# Altium PCB MainBoard_Layout_V2.PcbDoc (part 4 of 4)
Units mil, origin at the board's own origin, x right, y up, seen from the top; angles counter-clockwise.
Board outline 6119.77 x 4182.8 mil, 4 copper layers (Top Layer 1, Top Layer, Bottom Layer, Bottom Layer 1), stack 19.156 mil thick; 239 components, 227 nets, 1028 pads, 670 vias.
Unrouted connection lines stored in the file: 2.
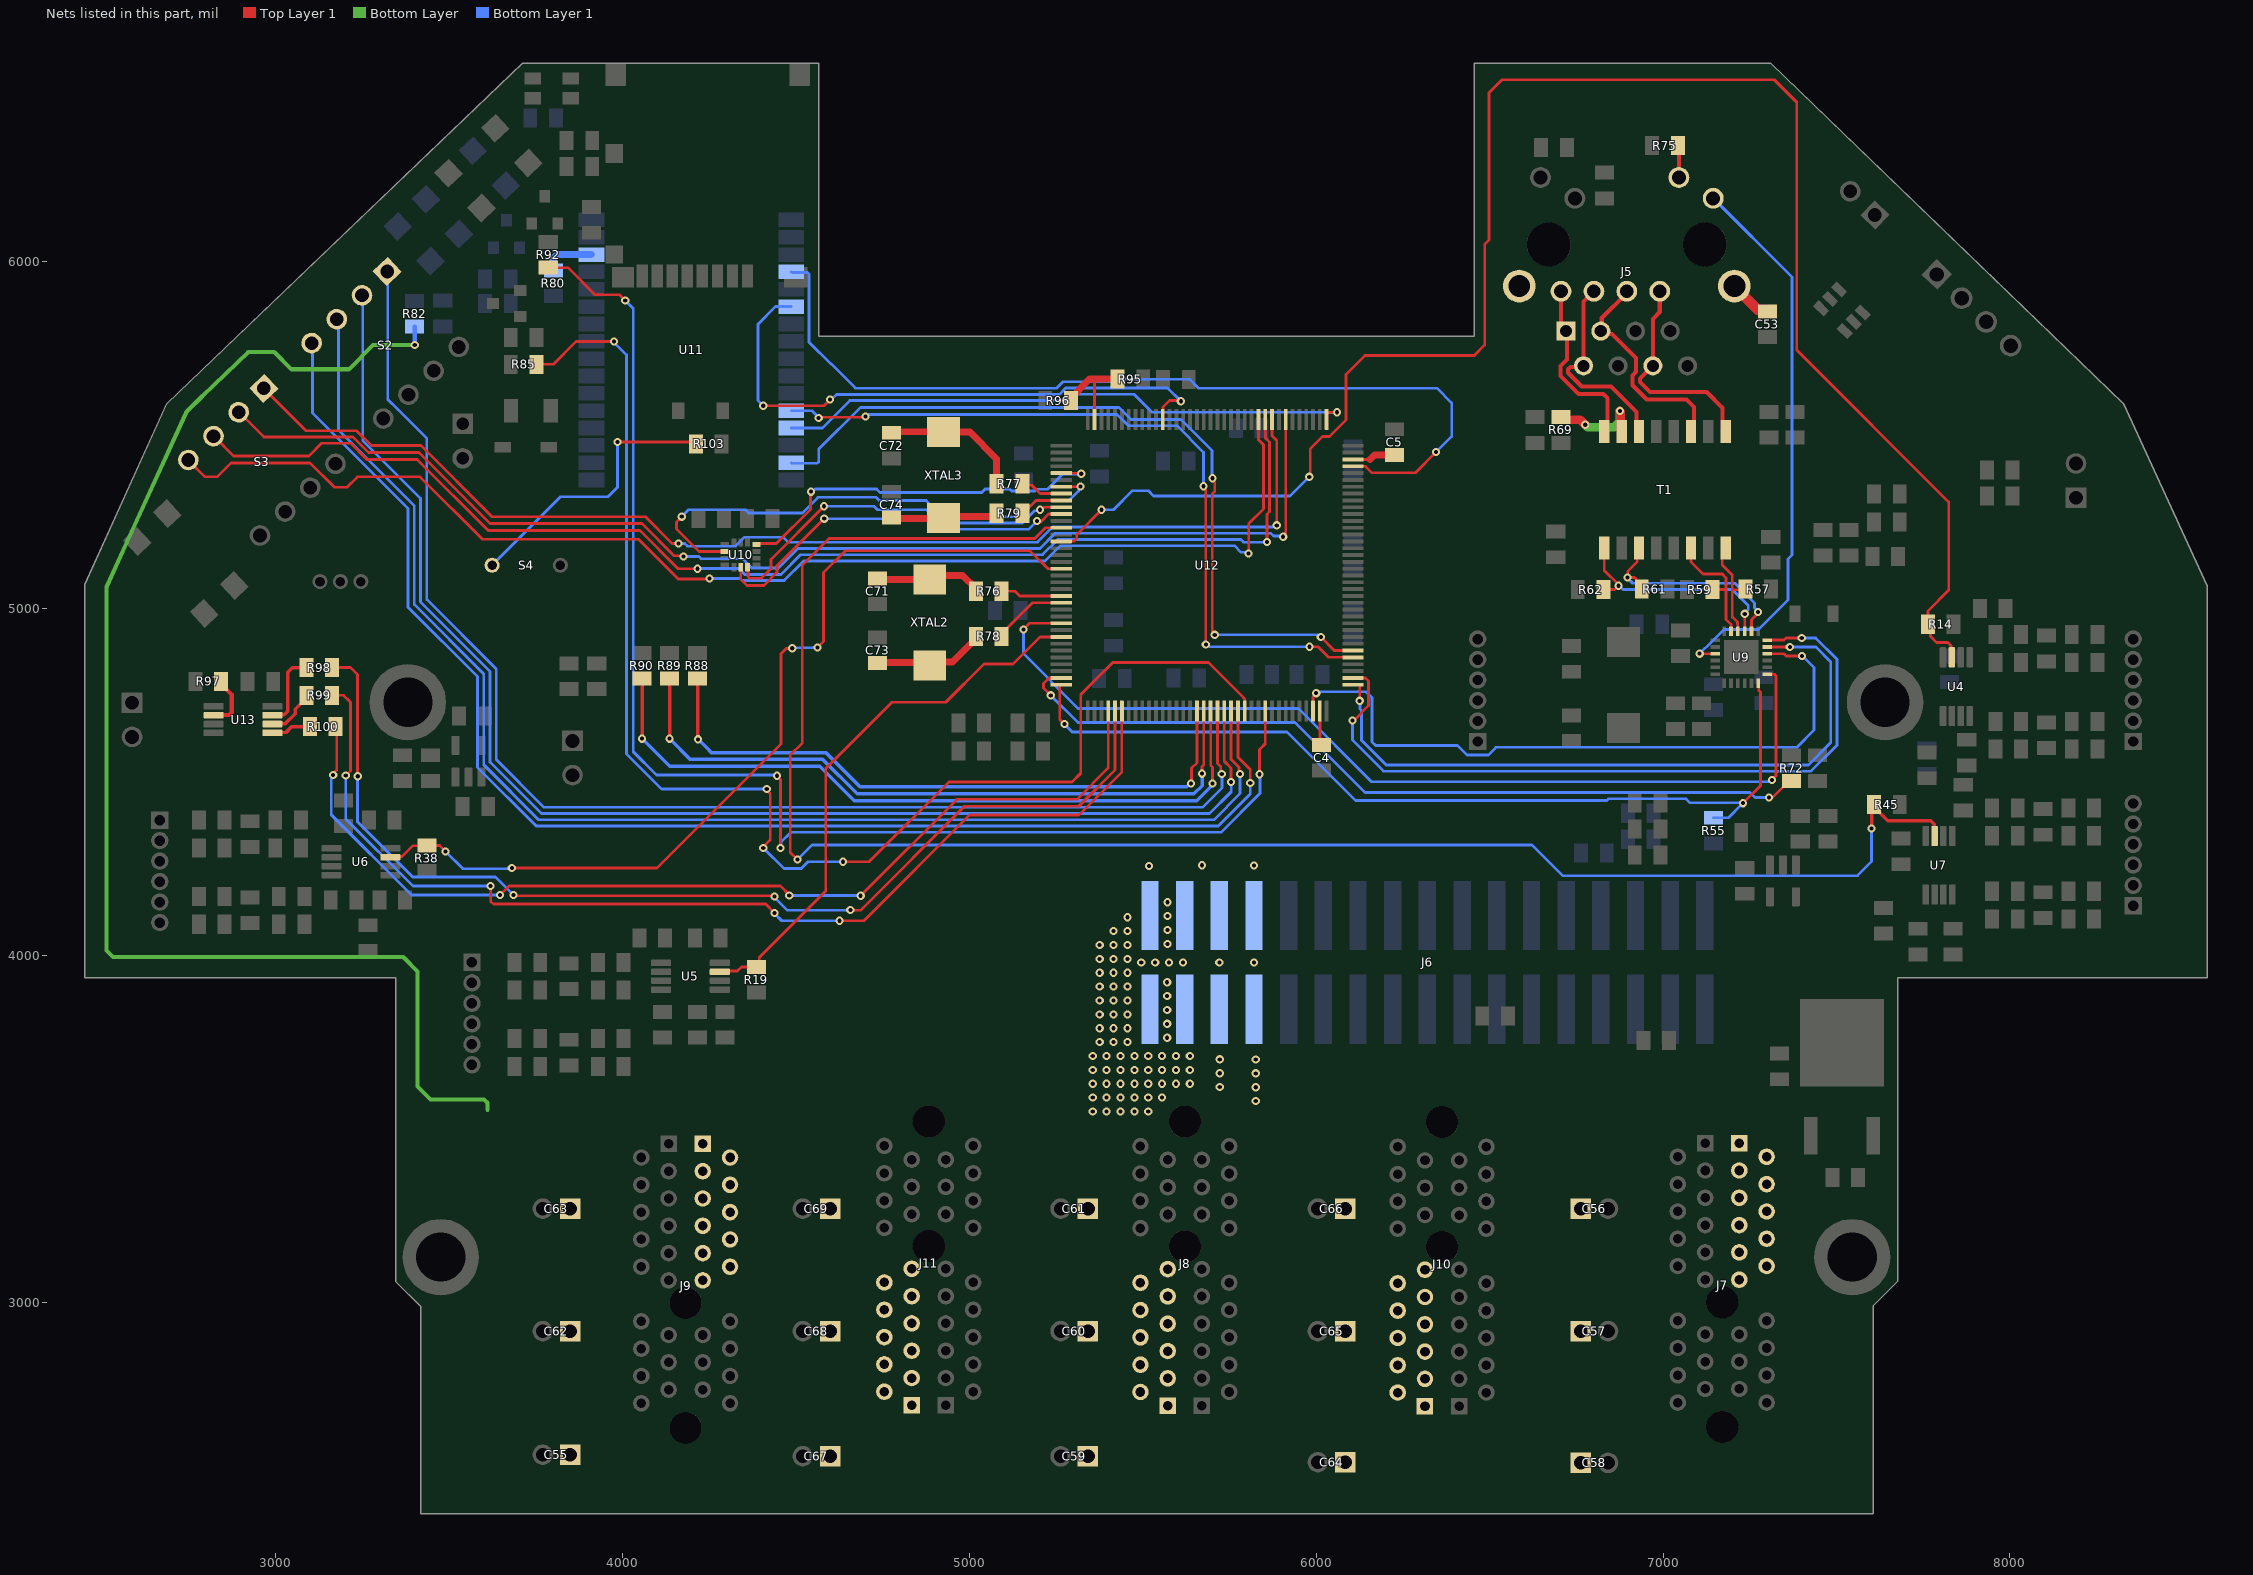
[diagram p6: the nets of this part, all layers, seen from the top]

## Via types
v1: diameter 23.62, hole 11.81, Top Layer 1 to Bottom Layer 1, tented both sides, 452 vias
v2: diameter 23.62, hole 11.81, Top Layer 1 to Bottom Layer 1, 166 vias
v3: diameter 23.62, hole 11.81, Top Layer 1 to Bottom Layer 1, tented bottom, 48 vias
v4: diameter 23.62/23.62/23.62/23.62 (per signal layer), hole 11.81, Top Layer 1 to Bottom Layer 1, 2 vias
v5: diameter 30, hole 15, Top Layer 1 to Bottom Layer 1, tented both sides, 1 vias
v6: diameter 23.62, hole 11.81, Top Layer 1 to Bottom Layer 1, tented top, 1 vias

## Nets (pads, with @x,y where several pads share a name; then routed paths per layer and width w, separated by ;. In a path a pad name is that pad's centre, name@x,y a point inside that pad or via, vN(x,y) a via of type N, cw(c..) or ccw(c..) an arc to the next point about the centre after c; other vN are vias at no path point) (continued)
NetR69_1: R69.1 T1.15 | length 280.4
  Top Layer 1 w25: R69.1@6705.46,5551.88 6712.96,5544.38 6760.96,5544.38 v2(6775.46,5529.88) ; v2(6875.46,5569.88) 6878,5567.34 6878,5513.16 T1.15@6880.46,5510.7
  Bottom Layer w25: v2(6775.46,5529.88) 6782.6,5522.73 6858.32,5522.73 6875.46,5539.88 v2(6875.46,5569.88)
NetR80_2: R80.2 U11.30 | length 135.2
  Bottom Layer 1 w20: R80.2@3799.8,5988.57 3799.8,6008.89 3811.52,6020.6 U11.30@3909.81,6020.6
NetR85_2: R85.2 U12.60 | length 3955
  Top Layer 1 w8: R85.2@3751.39,5704.25 3799.83,5704.25 3865.46,5769.88 v1(3975.46,5769.88) ; v3(4405.46,4309.88) 4405.46,4312.56 4425.46,4332.56 4425.46,4467.19 4415.46,4477.19 v3(4415.46,4479.88) ; v3(4635.27,4269.88) 4710.46,4269.88 4940.46,4499.88 5295.46,4499.88 5320.84,4525.26 5320.84,4752.67 5413.05,4844.88 5688.78,4844.88 5784.55,4749.11 5793.55,4740.1 5793.55,4704.58 U12.60@5793.73,4704.4
  Bottom Layer 1 w8: v1(3975.46,5769.88) 3975.46,5767.38 4011.27,5731.57 4011.27,4581.03 4112.43,4479.88 v3(4415.46,4479.88) ; v3(4405.46,4309.88) 4465.16,4250.18 4515.07,4250.18 4534.77,4269.88 v3(4635.27,4269.88)
NetR88_1: R88.1 U12.53 | length 1873.6
  Top Layer 1 w8: v1(5638.87,4495.88) 5640.46,4497.47 5640.46,4539.88 5655.76,4555.18 5655.76,4704.23 U12.53@5655.93,4704.4
  Top Layer 1 w10: R88.1@4215.46,4797.88 4216.95,4796.39 4216.95,4623.68 v3(4217.58,4623.05)
  Bottom Layer 1 w10: v3(4217.58,4623.05) 4239.18,4601.45 4255.75,4584.88 4585.46,4584.88 4684.48,4485.86 5626.01,4485.86 5636.03,4495.88 v1(5638.87,4495.88)
NetR89_1: R89.1 U12.54 | length 2000.9
  Top Layer 1 w8: v1(5670.8,4523.88) 5670.8,4544.76 5675.44,4549.4 5675.44,4704.23 U12.54@5675.62,4704.4
  Top Layer 1 w10: v3(4135.46,4624.88) R89.1@4135.46,4797.88
  Bottom Layer 1 w10: v3(4135.46,4624.88) 4195.46,4564.88 4577.18,4564.88 4676.26,4465.8 5646.97,4465.8 5670.8,4489.63 v1(5670.8,4523.88)
NetR90_1: R90.1 U12.55 | length 2126.8
  Top Layer 1 w8: U12.55@5695.3,4704.4 5695.48,4704.23 5695.48,4548.04 5700.46,4543.05 5700.46,4496.33 v1(5700.92,4495.88)
  Top Layer 1 w10: R90.1@4055.46,4797.88 4056.27,4797.07 v3(4056.27,4624.88)
  Bottom Layer 1 w10: v3(4056.27,4624.88) 4056.27,4624.07 4135.46,4544.88 4568.89,4544.88 4667.97,4445.8 5655.25,4445.8 5688.12,4478.66 5688.12,4479.29 5700.92,4492.09 v1(5700.92,4495.88)
NetR92_2: R92.2 U12.63 | length 3928.3
  Top Layer 1 w8: R92.2@3785.46,5982.88 3842.46,5982.88 3920.46,5904.88 3990.46,5904.88 v1(4007.46,5887.88) ; v3(4445.46,4518.07) 4445.46,4517.19 4455.46,4507.19 v3(4455.46,4309.88) ; v1(5836.23,4522.15) 5836.23,4593.76 5852.78,4610.31 U12.63@5852.78,4704.4
  Bottom Layer 1 w8: v1(4007.46,5887.88) 4030.46,5864.88 4030.46,4587.3 4097.88,4519.88 4443.65,4519.88 v3(4445.46,4518.07) ; v3(4455.46,4309.88) 4456.62,4311.03 4456.62,4326.66 4484.75,4354.8 5724.84,4354.8 5837.6,4467.56 5837.6,4520.78 v1(5836.23,4522.15)
NetR95_1: R95.1 R96.1 U12.143 | length 280.4
  Top Layer 1 w8: U12.143@5360.66,5545.35 5360.66,5661.37
  Top Layer 1 w20: R96.1@5292.46,5599.88 5292.46,5607.38 5346.45,5661.37 5360.66,5661.37 R95.1@5426.97,5661.37
NetR97_1: R97.1 U13.2 | length 147.5
  Top Layer 1 w12: U13.2@2830.81,4692.67 2830.96,4692.81 2865.7,4692.81 2872.73,4699.84 2872.73,4752.11 2842.46,4782.38 R97.1@2842.46,4789.88
NetR98_1: R98.1 U12.41 | length 3136.2
  Top Layer 1 w8: R98.1@3162.46,4829.88 3215.46,4829.88 3235.46,4809.88 3235.46,4517.31 v2(3236.26,4516.51) ; v2(3685.07,4173.88) 3687.07,4171.88 4436.27,4171.88 v3(4438.27,4169.88) ; v3(4656.5,4130.55) 4657.17,4129.88 4685.46,4129.88 4985.46,4429.88 5315.05,4429.88 5419.71,4534.54 U12.41@5419.71,4704.4
  Bottom Layer 1 w8: v2(3236.26,4516.51) 3235.56,4515.81 3235.56,4385.23 3394.92,4225.88 3633.07,4225.88 v2(3685.07,4173.88) ; v3(4438.27,4169.88) 4438.27,4167.07 4475.46,4129.88 4655.82,4129.88 v3(4656.5,4130.55)
NetR98_2: R98.2 U13.7 | length 211
  Top Layer 1 w10: U13.7@3000.11,4692.67 3001.25,4693.81 3023.87,4693.81 3034.04,4703.98 3034.04,4816.41 3047.51,4829.88 R98.2@3088.46,4829.88
NetR99_1: R99.1 U12.42 | length 3142.8
  Top Layer 1 w8: R99.1@3162.46,4749.88 3195.46,4749.88 3215.46,4729.88 3215.46,4532.11 v2(3201.58,4518.23) ; v2(3619.42,4199.88) 3619.42,4155.92 3627.46,4147.88 4412.67,4147.88 v3(4438.27,4122.27) ; v3(4625.46,4099.88) 4695.46,4099.88 5000.46,4404.88 5315.51,4404.88 5439.4,4528.77 U12.42@5439.4,4704.4
  Bottom Layer 1 w8: v2(3201.58,4518.23) 3201.58,4393.75 3395.46,4199.88 v2(3619.42,4199.88) ; v3(4438.27,4122.27) 4438.27,4120.4 4458.79,4099.88 v3(4625.46,4099.88)
NetR99_2: R99.2 U13.6 | length 144.2
  Top Layer 1 w10: U13.6@2990.11,4667.08 2991.25,4668.22 3026.57,4668.22 3055.46,4697.12 3055.46,4709.38 3088.46,4742.38 R99.2@3088.46,4749.88
NetR100_1: R100.1 U12.40 | length 2948.4
  Top Layer 1 w8: v2(3165.46,4519.88) 3165.46,4524.21 3175.46,4534.21 3175.46,4666.88 R100.1@3172.46,4669.88 ; v2(3646.08,4173.88) 3672.08,4199.88 4455.46,4199.88 4480.5,4174.83 v3(4480.5,4172.81) ; v3(4686.4,4172.04) 4964.24,4449.88 5309.59,4449.88 5400.03,4540.31 U12.40@5400.03,4704.4
  Bottom Layer 1 w8: v2(3165.46,4519.88) 3165.46,4515.55 3159.75,4509.84 3159.75,4405.58 3391.46,4173.88 v2(3646.08,4173.88) ; v3(4480.5,4172.81) 4658.19,4172.81 4658.4,4172.61 4685.83,4172.61 v3(4686.4,4172.04)
NetR100_2: R100.2 U13.5 | length 116
  Top Layer 1 w10: U13.5@2990.11,4641.49 2991.25,4642.63 3029.26,4642.63 3046.5,4659.88 R100.2@3098.46,4659.88
NetR103_1: R103.1 S4.P | length 820.5
  Top Layer 1 w8: v1(3985.46,5479.88) R103.1@4206.46,5479.88
  Top Layer 1 w12: R103.1@4206.46,5469.88 R103.1@4211.46,5474.88 R103.1@4211.46,5475.88 ; R103.1@4206.46,5479.88 R103.1@4210.96,5475.38
  Bottom Layer 1 w8: S4.P@3623.61,5124.88 3821.11,5322.38 3957.96,5322.38 3985.46,5349.88 v1(3985.46,5479.88)
NetS2_1A: S2.1A U12.56 | length 3937.2
  Top Layer 1 w8: U12.56@5714.99,4704.4 5715.16,4704.23 5715.16,4553.81 5724.47,4544.5 5724.47,4526.05 v1(5727.46,4523.07)
  Bottom Layer 1 w8: S2.1A@3322.86,5971.88 3322.86,5602.47 3351.74,5573.59 3435.46,5489.88 3435.46,5026.24 3635.46,4826.24 3635.46,4564.51 3773.18,4426.8 5672.38,4426.8 5728.46,4482.88 5728.46,4522.07 v1(5727.46,4523.07)
NetS2_2A: S2.2A U12.57 | length 3965
  Top Layer 1 w8: U12.57@5734.67,4704.4 5734.67,4559.75 5754.46,4539.96 v1(5754.46,4499.88)
  Bottom Layer 1 w8: S2.2A@3249.73,5903.68 3250.46,5902.95 3250.46,5484.88 3417.46,5317.88 3417.46,5018.79 3617.46,4818.79 3617.46,4557.06 3765.72,4408.8 5691.92,4408.8 5755,4471.88 5755,4499.33 v1(5754.46,4499.88)
NetS2_3A: S2.3A U12.58 | length 3987.8
  Top Layer 1 w8: U12.58@5754.36,4704.4 5754.36,4565.52 5777.47,4542.41 5777.47,4526.05 v1(5780.46,4523.07)
  Bottom Layer 1 w8: S2.3A@3176.59,5835.48 3180.46,5831.61 3180.46,5514.88 3399.46,5295.88 3399.46,5011.33 3599.46,4811.33 3599.46,4549.6 3758.27,4390.8 5704.65,4390.8 5780.46,4466.6 v1(5780.46,4523.07)
NetS2_4A: S2.4A U12.59 | length 4013.8
  Top Layer 1 w8: U12.59@5774.04,4704.4 5774.04,4571.29 5809.63,4535.7 v1(5809.63,4497.22)
  Bottom Layer 1 w8: S2.4A@3103.46,5767.28 3105.46,5765.28 3105.46,5564.42 3381.46,5288.42 3381.46,5003.88 3581.46,4803.88 3581.46,4542.15 3750.81,4372.8 5717.38,4372.8 5809.63,4465.05 v1(5809.63,4497.22)
NetS3_1A: S3.1A U12.117 | length 3459.5
  Top Layer 1 w8: S3.1A@2963.6,5636.74 3087.52,5512.82 3232.52,5512.82 3275.46,5469.88 3418.56,5469.88 3623.56,5264.88 4065.46,5264.88 4142.77,5187.56 v3(4161.27,5187.56) ; U12.117@5872.47,5545.35 5872.47,5498.32 5886.03,5484.77 5886.03,5242.34 v1(5886.03,5240.07)
  Bottom Layer 1 w8: v3(4161.27,5187.56) 4161.35,5187.48 4178.87,5187.48 4186.47,5179.88 4325.46,5179.88 4351.46,5205.88 4462.23,5205.88 4476.67,5191.44 5195.98,5191.44 5239.91,5235.38 5874.84,5235.38 5879.53,5240.07 v1(5886.03,5240.07)
NetS3_2A: S3.2A U12.115 | length 3589.1
  Top Layer 1 w8: S3.2A@2890.46,5569.88 2965.52,5494.82 3222.72,5494.82 3267.66,5449.88 3413.1,5449.88 3618.1,5244.88 4055.46,5244.88 4148.13,5152.21 4173.13,5152.21 v3(4175.46,5149.88) ; v1(5904.58,5207.09) 5904.58,5211.32 5911.84,5218.58 U12.115@5911.84,5545.35
  Bottom Layer 1 w8: v3(4175.46,5149.88) 4219.55,5149.88 4225.55,5143.88 4345.28,5143.88 4372.55,5116.61 4448.96,5116.61 4505.8,5173.44 5203.43,5173.44 5247.36,5217.38 5868.4,5217.38 5876.77,5209 5902.68,5209 v1(5904.58,5207.09)
NetS3_3A: S3.3A U12.118 | length 3634.5
  Top Layer 1 w8: S3.3A@2825.29,5493.04 2878.46,5439.88 3095.44,5439.88 3132.38,5476.82 3215.26,5476.82 3262.2,5429.88 3407.64,5429.88 3612.64,5224.88 4050,5224.88 4160,5114.88 v3(4215.46,5114.88) ; U12.118@5852.78,5545.35 5852.96,5545.18 5852.96,5492.38 5865.46,5479.88 5865.46,5279.42 5857.74,5271.7 v1(5857.74,5191.53)
  Bottom Layer 1 w8: v3(4215.46,5114.88) 4216.46,5115.88 4334.88,5115.88 4352.15,5098.61 4456.88,5098.61 4513.71,5155.44 5210.89,5155.44 5254.82,5199.38 5782.11,5199.38 5789.96,5191.53 v1(5857.74,5191.53)
NetS3_4A: S3.4A U12.119 | length 3721.3
  Top Layer 1 w8: S3.4A@2747.67,5427.66 2795.46,5379.88 2830.46,5379.88 2870.46,5419.88 3098.67,5419.88 3168.67,5349.88 3205.46,5349.88 3235.46,5379.88 3415.46,5379.88 3595.46,5199.88 4045.46,5199.88 4160.46,5084.88 4248.46,5084.88 v3(4250.46,5086.88) ; v1(5804.71,5159.12) 5805.46,5159.88 5805.46,5244.88 5847.46,5286.88 5847.46,5472.42 5833.27,5486.61 5833.27,5545.18 U12.119@5833.1,5545.35
  Bottom Layer 1 w8: v3(4250.46,5086.88) 4338.43,5086.88 4344.7,5080.61 4465.73,5080.61 4522.15,5137.03 5217.93,5137.03 5262.28,5181.38 5763.95,5181.38 5783.21,5162.11 5801.72,5162.11 v1(5804.71,5159.12)
NetU9_13: U9.13 U12.27 | length 2833.1
  Top Layer 1 w8: v1(5155.46,4939.88) 5173.14,4957.55 U12.27@5264.99,4957.55 ; U9.13@7300.26,4810.66 7320.77,4810.66 7325.46,4805.98 7325.46,4517.85 7314.4,4506.8 v2(7314.4,4505.35)
  Bottom Layer 1 w8: v1(5155.46,4939.88) 5155.46,4869.88 5313.4,4711.94 5948.33,4711.94 6159.72,4500.55 7301.91,4500.55 7303.72,4502.37 7311.41,4502.37 v2(7314.4,4505.35)
NetU10_4: U10.4 U12.5 | length 1121.3
  Top Layer 1 w8: U10.4@4386.13,5184.4 4391.25,5184.4 4394.14,5187.29 4442.88,5187.29 4541.62,5286.04 4541.62,5335.42 v3(4543.27,5337.07) ; U12.5@5264.99,5390.62 5291.52,5390.62 5291.7,5390.45 5320.63,5390.45 v1(5322.36,5388.73)
  Bottom Layer 1 w8: v3(4543.27,5337.07) 4547.5,5337.07 4555.31,5344.88 4732.46,5344.88 4742.46,5334.88 5035.46,5334.88 5045.46,5344.88 5115.46,5344.88 5121.46,5338.88 5181.92,5338.88 5182.02,5338.77 5188.65,5338.77 5193.74,5343.85 5224.44,5343.85 5267.66,5387.08 5320.71,5387.08 v1(5322.36,5388.73)
NetU10_9: U10.9 U12.7 | length 1506.6
  Top Layer 1 w8: v3(4170.46,5264.88) 4155.46,5249.88 4155.46,5229.88 4220.62,5164.72 U10.9@4294.79,5164.72 ; U12.7@5264.99,5351.25 5320.1,5351.25 v1(5320.42,5351.58)
  Bottom Layer 1 w8: v3(4170.46,5264.88) 4190.46,5284.88 4354.77,5284.88 4363.77,5275.88 4518.85,5275.88 4563.66,5320.69 4731.19,5320.69 4740.01,5311.88 4875.18,5311.88 4922.18,5264.88 5144.96,5264.88 5179.97,5299.89 5180.04,5299.89 5192.03,5311.88 5287.47,5311.88 5314.96,5339.37 5314.96,5341.88 5320.42,5347.35 v1(5320.42,5351.58)
NetU10_13: U10.13 U12.11 | length 1089.1
  Top Layer 1 w8: U10.13@4340.46,5119.05 4340.46,5085.16 4340.38,5085.08 4358.58,5066.88 4407.46,5066.88 4445.46,5104.88 4445.46,5123.37 v3(4581.21,5259.12) ; v1(5194.46,5252.15) 5196.74,5249.88 5205.46,5249.88 5227.92,5272.34 5264.81,5272.34 U12.11@5264.99,5272.51
  Bottom Layer 1 w8: v3(4581.21,5259.12) 4877.02,5259.12 4907.27,5228.88 5171.18,5228.88 v1(5194.46,5252.15)
NetU10_14: U10.14 U12.10 | length 1066.4
  Top Layer 1 w8: U10.14@4361.35,5112.72 4361.35,5092.35 4366.04,5087.67 4400.39,5087.67 4427.46,5114.74 4427.46,5141.92 v3@4580.42,5294.88 ; v1(5203.69,5284.88) 5208.02,5284.88 5215.34,5292.2 U12.10@5264.99,5292.2
  Bottom Layer 1 w8: v3(4580.46,5294.88) 4724.55,5294.88 4734.55,5284.88 4876.73,5284.88 4914.73,5246.88 5152.42,5246.88 5187.43,5281.89 5200.7,5281.89 v1(5203.69,5284.88)
NetU11_4: U11.4 U12.105 | length 2629.7
  Top Layer 1 w8: U12.105@6105.93,5410.31 6106.11,5410.14 6141.63,5410.14 6160.49,5391.28 6285.36,5391.28 v2(6345.46,5451.38)
  Bottom Layer 1 w8: U11.4@4486.19,5970.6 4488.01,5968.78 4532.9,5968.78 4537.58,5964.09 4537.58,5767.75 4600.46,5704.88 4602.34,5704.88 4671.66,5635.55 5251.77,5635.55 5270.09,5653.88 5404.92,5653.88 5412.41,5661.37 5633.97,5661.37 5659.81,5635.53 6347.98,5635.53 6390.46,5593.05 6390.46,5496.38 v2(6345.46,5451.38)
NetU11_6: U11.6 U12.133 | length 1694.9
  Top Layer 1 w8: v1(4405.46,5584.88) 4580.22,5584.88 v4(4597.79,5602.45) ; U12.133@5557.51,5545.35 5557.68,5545.52 5557.68,5581.05 5576.51,5599.88 5607.41,5599.88 v1(5609.43,5597.86)
  Bottom Layer 1 w8: v1(4405.46,5584.88) 4390.46,5599.88 4390.46,5819.88 4441.18,5870.6 U11.6@4486.19,5870.6 ; v4(4597.79,5602.45) 4601.25,5602.45 4616.36,5617.55 5259.22,5617.55 5277.55,5635.88 5571.41,5635.88 v1(5609.43,5597.86)
NetU11_12: U11.12 U12.77 | length 2244.6
  Top Layer 1 w8: v2(4565.33,5549.2) 4568.03,5551.9 4698.06,5551.9 v2(4700.23,5554.07) ; v1(5674.87,5352.57) 5674.87,5348.34 5681.15,5342.06 5681.15,4896.94 v1(5681.46,4896.62) ; v1(5980.46,4889.88) 6005.46,4889.88 6036.03,4859.3 6105.76,4859.3 U12.77@6105.93,4859.13
  Bottom Layer 1 w8: U11.12@4486.19,5570.6 4545.17,5570.6 4565.33,5550.44 v2(4565.33,5549.2) ; v2(4700.23,5554.07) 4700.76,5554.6 4704.45,5554.6 4709.73,5559.88 5425.36,5559.88 5457.88,5527.35 5597.99,5527.35 5674.87,5450.47 v1(5674.87,5352.57) ; v1(5681.46,4896.62) 5685.79,4896.62 5692.54,4889.88 v1(5980.46,4889.88)
NetU11_13: U11.13 U12.109 | length 1684.4
  Top Layer 1 w8: U12.109@6029.95,5545.35 6031.46,5546.86 6031.46,5566.16 v1(6059.46,5566.16)
  Bottom Layer 1 w8: U11.13@4486.19,5520.6 4576.14,5520.6 4655.09,5599.55 5266.68,5599.55 5285.01,5617.88 5474.86,5617.88 5526.58,5566.16 v1(6059.46,5566.16)
NetU11_15: U11.15 U12.78 | length 2312.3
  Top Layer 1 w8: v1(5700.68,5375.63) 5700.68,5370.35 5707.58,5363.45 5707.58,5338.18 5699.79,5330.39 5699.79,4935.93 5707.15,4928.57 v1(5707.15,4924.24) ; v1(6013.16,4917.58) 6051.75,4878.99 6105.76,4878.99 U12.78@6105.93,4878.81
  Bottom Layer 1 w8: U11.15@4486.19,5420.6 4488,5418.78 4560.77,5418.78 4565.46,5423.47 4565.46,5459.88 4685.46,5579.88 5430.81,5579.88 5465.34,5545.35 5609.99,5545.35 5699.63,5455.7 5699.63,5376.68 v1(5700.68,5375.63) ; v1(5707.15,4924.24) 6002.17,4924.24 6008.83,4917.58 v1(6013.16,4917.58)
OSC32_IN: C72.1 R77.1 XTAL3.2 | length 401.1
  Top Layer 1 w20: C72.1@4785.46,5506.88 4788.46,5509.88 XTAL3.2@4928.41,5509.88 ; XTAL3.2@4925.46,5508.89 5001.44,5508.89 5078.46,5431.88 R77.1@5078.46,5359.88
OSC32_OUT: C74.1 R79.1 XTAL3.1 | length 305.1
  Top Layer 1 w20: C74.1@4775.46,5259.88 4924.48,5259.88 XTAL3.1@4925.46,5260.86 4929.48,5264.88 R79.1@5078.46,5264.88
OSC_IN: C71.1 R76.1 XTAL2.2 | length 310.7
  Top Layer 1 w20: C71.1@4737.46,5089.88 C71.1@4742.96,5084.38 ; C71.1@4747.96,5084.38 4884.98,5084.38 XTAL2.2@4885.46,5083.89 ; XTAL2.2@4882.45,5109.88 4896.66,5095.66 4980.18,5095.66 5018.46,5057.38 R76.1@5018.46,5049.88
OSC_OUT: C73.1 R78.1 XTAL2.1 | length 326.8
  Top Layer 1 w20: C73.1@4735.46,4842.88 4737.46,4844.88 4876.44,4844.88 XTAL2.1@4885.46,4835.86 4895,4845.4 4950.99,4845.4 5007.96,4902.38 5008.46,4902.38 5018.46,4912.38 R78.1@5018.46,4919.88
PC14-OSC32_IN: R77.2 U12.8 | length 124.3
  Top Layer 1 w8: R77.2@5152.46,5359.88 5156.77,5355.56 5179.77,5355.56 5203.59,5331.74 5264.81,5331.74 U12.8@5264.99,5331.57
PC15-OSC32_OUT: R79.2 U12.9 | length 136.4
  Top Layer 1 w8: R79.2@5152.46,5264.88 5152.46,5272.38 5191.97,5311.88 U12.9@5264.99,5311.88
PH0-OSC_IN: R76.2 U12.23 | length 178.2
  Top Layer 1 w8: R76.2@5092.46,5049.88 5131.58,5049.88 5144.99,5036.47 5264.81,5036.47 U12.23@5264.99,5036.29
PH1-OSC_OUT: R78.2 U12.24 | length 217
  Top Layer 1 w8: R78.2@5092.46,4919.88 5092.46,4927.38 5181.69,5016.61 U12.24@5264.99,5016.61
RA: J5.12 U9.3 | length 1621.1
  Top Layer 1 w8: v2(7105.46,4869.88) 7105.54,4869.8 7150.58,4869.8 U9.3@7150.66,4869.72
  Bottom Layer 1 w8: v2(7105.46,4869.88) 7139.49,4903.91 7175.46,4939.88 7275.46,4939.88 7359.99,5024.41 7359.99,5142.66 7371.46,5154.12 7371.46,5955.96 J5.12@7144.48,6182.95
RC: J5.11 R75.1 | length 87.8
  Top Layer 1 w12: R75.1@7043.62,6329.88 7045.46,6328.03 J5.11@7045.46,6242.79
RD_N: R57.2 T1.8 U9.22 | length 308.2
  Top Layer 1 w8: T1.8@7180.46,5174.88 7170.46,5164.88 7170.46,5125.33 7199.67,5096.12 7199.67,5054.54 ; U9.22@7215.25,4927.49 7215.25,4954.45 7214.3,4955.4 7214.3,4961.17 7199.67,4975.8 7199.67,5054.54 ; R57.2@7237.15,5056.06 7235.64,5054.54 7199.67,5054.54
RD_P: R59.2 T1.6 U9.23 | length 383
  Top Layer 1 w8: T1.6@7080.65,5191.77 7080.65,5134.69 7115.46,5099.88 7170.46,5099.88 7181.67,5088.66 7181.67,5055.09 ; R59.2@7142.46,5054.88 7142.67,5055.09 7181.67,5055.09 ; U9.23@7196.3,4928.23 7196.3,4953.71 7181.67,4968.34 7181.67,5055.09
RMII_MDIO: R55.1 U9.12 U12.36 | length 2649.5
  Top Layer 1 w8: U12.36@5264.99,4780.39 5263.48,4778.88 5260.46,4778.88 5260.46,4680.46 v1(5273.78,4667.14) ; v2(7230.46,4438.88) 7280.58,4488.99 7280.58,4759.46 7275.99,4764.04 7275.99,4783.76 U9.12@7274.67,4785.07
  Bottom Layer 1 w8: v1(5273.78,4667.14) 5273.78,4666.56 5296.24,4644.09 5915.79,4644.09 6113,4446.88 6837.92,4446.88 6842.42,4451.38 7066.37,4451.38 7077.87,4439.88 7229.46,4439.88 v2(7230.46,4438.88) 7188.46,4396.88 R55.1@7145.46,4396.88
RMII_REF_CLK: R72.2 U12.35 | length 2379.1
  Top Layer 1 w8: v1(5234.46,4749.88) 5213.52,4770.81 5213.52,4784.13 5229.29,4799.9 5264.81,4799.9 U12.35@5264.99,4800.07 ; v2(7305.46,4454.88) 7314.96,4454.88 7362.96,4502.88 R72.2@7370.46,4502.88
  Bottom Layer 1 w8: v1(5234.46,4749.88) 5312.93,4671.41 5938.98,4671.41 6140.51,4469.88 7250.46,4469.88 7265.46,4454.88 v2(7305.46,4454.88)
RMII_TX_EN: U9.16 U12.70 | length 2004.3
  Top Layer 1 w8: U12.70@5990.58,4704.4 5990.58,4744.47 5999.78,4753.67 v1(5999.78,4756.04) ; U9.16@7300.26,4869.72 7348.38,4869.72 7354.69,4863.4 v2(7400.46,4863.4)
  Bottom Layer 1 w8: v1(5999.78,4756.04) 6002.77,4759.03 6011.46,4759.03 6012.31,4759.88 6143.74,4759.88 6160.46,4743.16 6160.46,4615.79 6171.37,4604.88 6407.55,4604.88 6434.66,4577.77 6496.26,4577.77 6518.37,4599.88 7385.46,4599.88 7435.46,4649.88 7435.46,4829.88 7401.93,4863.4 v2(7400.46,4863.4)
RMII_TXD0: U9.17 U12.73 | length 2023.7
  Top Layer 1 w8: U12.73@6105.93,4780.39 6123.61,4780.39 6125.12,4778.88 v1(6125.12,4734.03) ; U9.17@7300.26,4889.4 v2(7365.46,4889.4)
  Bottom Layer 1 w8: v1(6125.12,4734.03) 6126.46,4732.69 6126.46,4710.22 6130.46,4706.22 6130.46,4620.33 6201.63,4549.17 7419.29,4549.17 7483.46,4613.33 7483.46,4846.42 7440.48,4889.4 v2(7365.46,4889.4)
RMII_TXD1: U9.18 U12.74 | length 2182.7
  Top Layer 1 w8: v1(6104.46,4677.65) 6108.54,4677.65 6150.93,4720.04 6150.93,4790.6 6141.63,4799.9 6106.11,4799.9 U12.74@6105.93,4800.07 ; U9.18@7300.26,4909.09 7348.38,4909.09 7354.69,4915.4 v2(7399.93,4915.4)
  Bottom Layer 1 w8: v1(6104.46,4677.65) 6104.46,4620.88 6194.17,4531.17 7426.75,4531.17 7501.46,4605.88 7501.46,4853.88 7439.93,4915.4 v2(7399.93,4915.4)
RX_N: J5.6 pad.2@6990.46,5914.88 T1.9 | length 626
  Top Layer 1 w12: pad.2@6990.46,5914.88 6990.46,5854.88 6970.46,5834.88 J5.6@6970.46,5699.88 6933.54,5662.95 6933.54,5653.01 6962.1,5624.45 7125.89,5624.45 7171.5,5578.84 7171.5,5519.66 T1.9@7180.46,5510.7
RX_P: J5.3 pad.2@6895.46,5914.88 T1.11 | length 640.6
  Top Layer 1 w12: pad.2@6895.46,5914.88 6895.46,5909.88 6823.15,5837.56 6823.15,5802.56 J5.3@6820.46,5799.88 6828.66,5791.68 6852.64,5791.68 6922.22,5722.1 6922.22,5682.75 6911.54,5672.07 6911.54,5643.9 6952.99,5602.45 7067.89,5602.45 7089.42,5580.92 7089.42,5519.66 T1.11@7080.46,5510.7
SHGND: C53.1 J5.S1 J5.S2 | length 125.2
  Top Layer 1 w30: J5.S1@7205.5,5929.8 7273.42,5861.88 7295.46,5861.88 C53.1@7300.46,5856.88
SIN_A: R19.1 U5.7 U12.29 | length 1607.2
  Top Layer 1 w8: U5.7@4280.11,3952.67 4282.25,3954.81 4330.4,3954.81 4342.46,3966.88 4392.96,3966.88 4393.95,3967.86 4393.95,3994.19 4585.52,4185.76 4585.52,4539.03 4776.37,4729.88 4931.8,4729.88 5041.8,4839.88 5125.46,4839.88 5203.59,4918.01 5264.81,4918.01 U12.29@5264.99,4918.18
SIN_B: R45.1 U7.7 U12.13 | length 5234.4
  Top Layer 1 w8: v3(4504.3,4276.18) 4483.08,4297.4 4483.08,4577.5 4518.13,4612.54 4518.13,5125.53 4595.01,5202.4 5188.29,5202.4 5218.85,5232.97 5264.81,5232.97 U12.13@5264.99,5233.14
  Top Layer 1 w10: v2(7601.21,4365.63) 7601.21,4427.63 R45.1@7608.46,4434.88 7608.46,4427.38 7647.38,4388.46 7771.35,4388.46 7781.52,4378.29 7781.52,4345.66 U7.7@7782.67,4344.52
  Bottom Layer 1 w8: v3(4504.3,4276.18) 4546.47,4318.35 6621.99,4318.35 6710.46,4229.88 7560.46,4229.88 7601.21,4270.63 v2(7601.21,4365.63)
SIN_C: R14.1 U4.7 U12.15 | length 5117.9
  Top Layer 1 w8: U12.15@5264.99,5193.77 5265.16,5193.95 5300.69,5193.95 5309.7,5202.96 5309.7,5214.11 v1(5380.46,5284.88) ; v1(5979.65,5379.88) 5982.39,5382.62 5982.39,5460.33 6018.37,5496.3 6038.42,5496.3 6085.46,5543.35 6085.46,5675.33 6140,5729.88 6455.46,5729.88 6485.46,5759.88 6485.46,6049.88 6497.96,6062.38 6497.96,6487.38 6535.46,6524.88 7320.46,6524.88 7385.46,6459.88 7385.46,5745.33 7823.46,5307.33 7823.46,5052.88 7763.46,4992.88 R14.1@7763.46,4954.88 ; R14.1@7753.46,4954.92 7770.77,4937.6 7770.77,4920.06 7788.38,4902.46 7820.94,4902.46 7830.52,4892.87 7830.52,4861.66 U4.7@7832.67,4859.52
  Bottom Layer 1 w8: v1(5380.46,5284.88) 5415.46,5284.88 5470.46,5339.88 5515.46,5339.88 5530.46,5324.88 5924.46,5324.88 5979.46,5379.88 v1(5979.65,5379.88)
SIN_D: R38.1 U6.7 U12.19 | length 2646.5
  Top Layer 1 w8: U6.7@3330.11,4282.67 3332.25,4284.81 3363.46,4284.81 3395.04,4316.4 3434.98,4316.4 R38.1@3435.46,4316.88 3472.46,4316.88 v2(3489.46,4299.88) ; v2(3680.47,4251.64) 4098.99,4251.64 4456.49,4609.14 4456.49,4869.65 4471.83,4884.99 4488.61,4884.99 v3(4489.06,4885.44) ; v3(4561.94,4887.96) 4579.2,4905.22 4579.2,5103.6 4642,5166.4 5174.39,5166.4 5225.76,5115.03 U12.19@5264.99,5115.03
  Bottom Layer 1 w8: v2(3489.46,4299.88) 3539.46,4249.88 3678.7,4249.88 v2(3680.47,4251.64) ; v3(4489.06,4885.44) 4490.32,4886.7 4560.68,4886.7 v3(4561.94,4887.96)
TD_N: R61.2 T1.3 U9.20 | length 653.8
  Top Layer 1 w8: T1.3@6930.46,5174.88 6925.27,5169.69 6925.27,5134.69 6897.93,5107.35 6897.93,5090.35 v1(6897.46,5089.88) 6917.77,5089.88 6922.46,5085.19 6922.46,5070.88 R61.2@6938.46,5054.88 ; U9.20@7254.99,4934.68 7254.99,4967.63 7273.72,4986.36 v1(7273.72,4989.81)
  Bottom Layer 1 w8: v1(6897.46,5089.88) 6897.46,5087.88 6912.46,5072.88 7206.86,5072.88 7263.59,5016.15 7263.59,5002.49 7273.72,4992.37 v1(7273.72,4989.81)
TD_P: R62.2 T1.1 U9.21 | length 650.6
  Top Layer 1 w8: R62.2@6827.87,5054.88 6859.75,5054.88 6870.7,5065.83 v1(6871.82,5065.83) ; T1.1@6830.46,5174.88 6830.46,5109.88 6871.42,5068.92 v1@6871.42,5065.83 ; U9.21@7235.3,4934.68 7235.3,4944.66 7235.3,4984.72 v1(7235.46,4984.88)
  Bottom Layer 1 w8: v1@6871.42,5065.83 6873.15,5065.83 6884.1,5054.88 7199.4,5054.88 7245.59,5008.69 7245.59,4997.56 7235.46,4987.43 v1(7235.46,4984.88)
TX_N: J5.2 pad.2@6800.46,5914.88 T1.14 | length 589.4
  Top Layer 1 w12: pad.2@6800.46,5914.88 6770.46,5884.88 J5.2@6770.46,5699.88 6767.56,5696.97 6732.99,5696.97 6725.96,5689.94 6725.96,5680 6765.35,5640.61 6849.73,5640.61 6923.79,5566.54 6923.79,5517.37 T1.14@6930.46,5510.7
TX_P: J5.1 pad.2@6705.46,5914.88 T1.16 | length 521
  Top Layer 1 w12: pad.2@6705.46,5914.88 6705.46,5814.88 6723.21,5797.12 6723.21,5718.31 6703.96,5699.06 6703.96,5670.89 6756.24,5618.61 6827.4,5618.61 6839.42,5606.59 6839.42,5519.66 T1.16@6830.46,5510.7
VCAP0: C4.1 U12.71 | length 112.6
  Top Layer 1 w8: U12.71@6010.26,4704.4 6010.44,4704.23 6010.44,4642.8 ; C4.1@6010.46,4591.88 6010.46,4642.77
VCAP1: C5.1 U12.106 | length 125
  Top Layer 1 w8: U12.106@6105.93,5429.99 6155.34,5429.99 ; C5.1@6218.34,5430 C5.1@6218.46,5429.88
  Top Layer 1 w20: 6155.34,5429.99 6167.96,5442.61 6225.2,5442.61 C5.1@6225.46,5442.88
VCC: C55.1 C56.1 C57.1 C58.1 C59.1 C60.1 C61.1 C62.1 C63.1 C64.1 C65.1 C66.1 C67.1 C68.1 C69.1 J6.1 J6.2 J6.3 J6.4 J6.5 J6.6 J6.7 J6.8 J7.A1 J7.A2 J7.A3 J7.A4 J7.A5 J7.A6 J7.A7 J7.A8 J7.A9 J7.A10 J7.A11 J8.A1 J8.A2 J8.A3 J8.A4 J8.A5 J8.A6 J8.A7 J8.A8 J8.A9 J8.A10 J8.A11 J9.A1 J9.A2 J9.A3 J9.A4 J9.A5 J9.A6 J9.A7 J9.A8 J9.A9 J9.A10 J9.A11 J10.A1 J10.A2 J10.A3 J10.A4 J10.A5 J10.A6 J10.A7 J10.A8 J10.A9 J10.A10 J10.A11 J11.A1 J11.A2 J11.A3 J11.A4 J11.A5 J11.A6 J11.A7 J11.A8 J11.A9 J11.A10 J11.A11 R82.2 | length 3950
  Top Layer 1 w12: J9.A1@4230.93,3456.57 4230.93,3460.35 J9.A1@4240.46,3469.88
  Bottom Layer w12: 2512.11,5059.77 2512.11,4013.75 2530.99,3994.88 3367.33,3994.88 3408.96,3953.25 3408.96,3621.91 3445.99,3584.88 3600.46,3584.88 3610.46,3574.88 3610.46,3554.88 ; 2512.11,5059.78 cw(c2524.11,5059.78) 2513.19,5064.75 2584.8,5221.84 2740.86,5564.22 ; v1(3400.46,5759.88) 3280.46,5759.88 3210.46,5689.88 3045.46,5689.88 2995.46,5739.88 2920.69,5739.88 2788.22,5612.62 2787.93,5612.34 ; 2740.86,5564.22 cw(c2751.77,5559.22) 2743.26,5567.68 ; 2740.86,5564.22 cw(c2751.77,5559.22) 2743.26,5567.68 ; 2743.26,5567.68 2787.78,5612.19 ; 2787.78,5612.2 cw(c2796.24,5603.69) 2787.93,5612.34 ; 2787.78,5612.2 cw(c2796.24,5603.69) 2787.93,5612.34
  Bottom Layer 1 w12: v1(3400.46,5759.88) R82.2@3400.46,5812.88
  other v1: 5355.46,3549.88 5395.46,3549.88 5435.46,3549.88 5475.46,3549.88 5515.46,3549.88 5825.46,3579.88 5355.46,3589.88 5395.46,3589.88 5435.46,3589.88 5475.46,3589.88 5515.46,3589.88 5555.46,3589.88 5721.73,3620.27 5825.46,3619.88 5355.46,3629.88 5395.46,3629.88 5435.46,3629.88 5475.46,3629.88 5515.46,3629.88 5555.46,3629.88 5595.46,3629.88 5635.46,3629.88 5721.73,3660.27 5825.46,3659.88 5355.46,3669.88 5395.46,3669.88 5435.46,3669.88 5475.46,3669.88 5515.46,3669.88 5555.46,3669.88 5595.46,3669.88 5635.46,3669.88 5721.73,3700.27 5825.46,3699.88 5355.46,3709.88 5395.46,3709.88 5435.46,3709.88 5475.46,3709.88 5515.46,3709.88 5555.46,3709.88 5595.46,3709.88 5635.46,3709.88 5375.46,3749.88 5415.46,3749.88 5455.46,3749.88 5570.09,3762.62 5375.46,3789.88 5415.46,3789.88 5455.46,3789.88 5570.09,3802.62 5375.46,3829.88 5415.46,3829.88 5455.46,3829.88 5570.09,3842.62 5375.46,3869.88 5415.46,3869.88 5455.46,3869.88 5570.09,3882.62 5375.46,3909.88 5415.46,3909.88 5455.46,3909.88 5570.09,3922.62 5375.46,3949.88 5415.46,3949.88 5455.46,3949.88 5495.46,3979.88 5535.46,3979.88 5575.46,3979.88 5615.46,3979.88 5720.46,3979.88 5820.46,3979.88 5375.46,3989.88 5415.46,3989.88 5455.46,3989.88 5375.46,4029.88 5415.46,4029.88 5455.46,4029.88 5571.16,4033.13 5415.46,4069.88 5455.46,4069.88 5571.16,4073.13 5455.46,4109.88 5571.16,4113.13 5571.16,4153.13 5517.45,4257.88 5820.46,4259.07 5670.46,4259.88
pads on no net: J5.7 J5.None J6.28 J6.30 J6.31 J6.32 J6.33 J7. J7.A13 J7.A17 J7.A18 J7.B12 J7.B13 J7.B14 J7.B15 J8. J8.A13 J8.A17 J8.A18 J8.B12 J8.B13 J8.B14 J8.B15 J9. J9.A13 J9.A17 J9.A18 J9.B12 J9.B13 J9.B14 J9.B15 J10. J10.A13 J10.A17 J10.A18 J10.B12 J10.B13 J10.B14 J10.B15 J11. J11.A13 J11.A17 J11.A18 J11.B12 J11.B13 J11.B14 J11.B15 J12.6 J14.9 J14.10 J14.11 J14.12 J14.13 J14.14 S1.1 S1.3 T1.4 T1.5 T1.12 T1.13 U10.1 U10.10 U10.11 U10.12 U11.1 U11.2 U11.3 U11.7 U11.9 U11.10 U11.11 U11.14 U11.16 U11.17 U11.18 U11.19 U11.20 U11.21 U11.23 U11.25 U11.28 U11.32 U12.1 U12.122 U12.123 U12.124 U12.125 U12.126 U12.132 U12.141 U13.1
copper on no net:
  other v2: 3475.46,3039.88 7545.46,3039.88 3410.46,3064.88 3540.46,3064.88 7480.46,3064.88 7610.46,3064.88 3385.46,3129.88 3565.46,3129.88 7455.46,3129.88 7635.46,3129.88 3405.46,3189.88 3540.46,3189.88 7475.46,3189.88 7610.46,3189.88 3475.46,3219.88 7545.46,3219.88 3380.64,4639.88 7640.28,4639.88 3315.64,4664.88 3445.64,4664.88 7575.28,4664.88 7705.28,4664.88 3290.64,4729.88 3470.64,4729.88 7550.28,4729.88 7730.28,4729.88 3310.64,4789.88 3445.64,4789.88 7570.28,4789.88 7705.28,4789.88 3380.64,4819.88 7640.28,4819.88

## Polygon pours and split planes (outlines as drawn)
3V3 on Top Layer 1 "NONET_L01_P-001" (solid, pour order 50): 6530.46,3859.88 6945.46,3859.88 7025.46,3779.88 7025.46,3609.88 6530.46,3609.88
3V3_PWR_BRD on Top Layer 1 "3V3_PWR_BRD_L01_P042" (solid, pour order 42): 6370.46,4024.88 6495.46,4024.88 6495.46,3629.88 6370.46,3629.88
GND on Top Layer 1 "NONET_L01_P-001" (solid, pour order 59): 5025.46,5529.88 5025.46,5244.88 4745.46,5244.88 4745.46,5529.88
GND on Top Layer 1 "NONET_L01_P-001" (solid, pour order 58): 4985.46,5104.88 4985.46,4819.88 4705.46,4819.88 4705.46,5104.88
GND on Top Layer 1 "NONET_L01_P-001" (solid, pour order 56): 4270.46,5339.88 4385.46,5339.88 4400.46,5324.88 4400.46,5134.88 4310.46,5134.88 4270.46,5174.88
GND on Top Layer 1 "NONET_L01_P-001" (solid, pour order 55): 6710.46,4879.88 6910.46,4879.88 6985.46,4804.88 6985.46,4724.88 6875.46,4614.88 6710.46,4614.88
3V3 on Top Layer 1 "NONET_L01_P-001" (solid, pour order 57): 7660.46,5359.88 7735.46,5359.88 7765.46,5329.88 7765.46,5114.88 7660.46,5114.88
3V3 on Top Layer 1 "NONET_L01_P-001" (solid, pour order 52): 5015.46,4709.88 5165.46,4709.88 5165.46,4549.88 5015.46,4549.88
3V3 on Bottom Layer "3V3_L03_P035" (solid, pour order 54): 7676.17,3934.88 8568.93,3934.88 8568.93,5064.6 8328.18,5589.88 7309.91,6572.67 6455.7,6572.67 6455.7,5785.27 4565.94,5785.27 4565.94,6572.67 3711.73,6572.67 2684.83,5589.88 2449.16,5069.37 2449.16,3934.88 3345.46,3934.88 3345.46,3603.6 7676.17,3603.6
VCC on Bottom Layer "VCC_MOTORDRIVER" (solid, pour order 33): 3589.28,3597.67 5195.46,3597.67 5195.46,4214.88 5268.04,4287.46 5870.46,4287.46 5870.46,3597.67 7419.28,3597.67 7419.28,2407.67 3589.28,2407.67
LAN_VDD1A on Bottom Layer "LAN_VDD1A" (solid, pour order 53): 6645.46,5194.88 7575.46,5194.88 7575.46,4999.88 7495.46,4919.88 6795.46,4919.88 6645.46,5069.88
GND on Bottom Layer 1 "GND_L04_P049" (solid, pour order 49): 5870.46,4294.88 5870.46,3234.88 6270.46,3234.88 6270.46,4294.88
VCC on Bottom Layer 1 "VCC_L04_P041" (solid, pour order 41): 5315.46,4294.88 5870.46,4294.88 5870.46,3529.88 5315.46,3529.88
3V3_PWR_BRD on Bottom Layer 1 "3V3_PWR_BRD_L04_P044" (solid, pour order 44): 6370.46,4219.88 6475.46,4219.88 6475.46,3629.88 6370.46,3629.88
GND on Top Layer "GND_L02_P001" (solid, pour order 1): 2449.16,3934.88 3345.46,3934.88 3345.46,3059.88 3417.96,2987.38 3417.96,2389.88 7605.46,2389.88 7605.46,2989.17 7676.17,3059.88 7676.17,3934.88 8568.93,3934.88 8568.93,5064.6 8328.18,5589.88 7309.9,6572.67 6455.7,6572.67 6455.7,5785.27 4565.93,5785.27 4565.93,6572.67 3711.73,6572.67 2684.83,5589.88 2449.16,5069.37

## Other copper
Top Layer 1:
  pour cut-out: 6745.46,5134.88 7265.46,5134.88 7265.46,5614.88 7220.46,5614.88 7220.46,5859.88 7220.46,5968.5 6565.46,5970.1 6565.46,5859.88 6565.46,5614.88 6745.46,5614.88
Top Layer:
  pour cut-out: 6745.46,5134.88 7265.46,5134.88 7265.46,5614.88 7220.46,5614.88 7220.46,5859.88 7220.46,5968.5 6565.46,5970.1 6565.46,5859.88 6565.46,5614.88 6745.46,5614.88
Bottom Layer:
  pour cut-out: 6745.46,5134.88 7265.46,5134.88 7265.46,5614.88 7220.46,5614.88 7220.46,5859.88 7220.46,5968.5 6565.46,5970.1 6565.46,5859.88 6565.46,5614.88 6745.46,5614.88
Bottom Layer 1:
  pour cut-out: 6745.46,5134.88 7265.46,5134.88 7265.46,5614.88 7220.46,5614.88 7220.46,5859.88 7220.46,5968.5 6565.46,5970.1 6565.46,5859.88 6565.46,5614.88 6745.46,5614.88

## Silkscreen, mask and mechanical layers (free items; w line width, h text height)
Top Overlay:
  drawing of 5 lines, arcs and shapes, not listed
  text "[PWM DIR] / G_CTRL" at 7250.46,6114.88 h36 r316
  text "TXP" at 6799.46,5955.88 h36 r90
  text "TXN" at 6849.46,5955.88 h36 r90
  text "RXP" at 6899.46,5955.88 h36 r90
  text "RXN" at 6949.46,5955.88 h36 r90
  text "[VCC AB GND] / G_ENC" at 7566.6,5823.63 h36 r316
  text "G_ES1" at 7968.53,5159.88 h36
  text "G_ES1" at 3668.53,4359.88 h36
  text "TBOTS MB V2.0" at 5006.46,4325.88 h100
Bottom Overlay:
  lines w10: 3580,4270 4815,4280 ; 3580,3375 4815,3375 4815,4545 3580,4545 3580,3375
  text "UBC Thunderbots / Mainboard V2.0" at 4788.32,4257.06 h60
  text "Liam Bontkes / Taylor Fraser / Matthew Tong / Dominic Klukas / Francesca Crema / Dannon Sturn" at 4785,3735 h48
Mechanical 1:
  lines w10: 2449.16,3934.88 3345.46,3934.88 3345.46,3603.6 3345.46,3059.88 3420.46,2984.88 3420.46,2389.88 7605.46,2389.88 7605.46,2989.88 7676.17,3060.59 7676.17,3934.88 8568.93,3934.88 8568.93,5064.6 8328.18,5589.88 7309.9,6572.67 6455.7,6572.67 6455.7,5785.27 4565.93,5785.27 4565.93,6572.67 3711.73,6572.67 2684.83,5589.88 2449.16,5069.37 2449.16,3934.88

## Dimensions
3475.46,3129.88 to 7170.46,2999.88 on Mechanical 16
3475.46,3129.88 to 6362.63,3158.76 on Mechanical 16
3475.46,3129.88 to 5621.02,3160.39 on Mechanical 16
3475.46,3129.88 to 4882.58,3161.24 on Mechanical 16
3475.46,3129.88 to 4181.72,2997.91 on Mechanical 16

## Text inside footprints (layer, text, board x,y; h text height)
J5: Bottom Overlay "+" at 7161.18,6210.41 h73.82; Bottom Overlay "-" at 7050.84,6270.6 h73.82; Bottom Overlay "-" at 6754.96,6205.36 h73.82; Bottom Overlay "+" at 6664.57,6270.52 h73.82; Mechanical 4 "12" at 7200.69,6105.08 h73.82; Mechanical 4 "11" at 7065.83,6160.29 h73.82; Mechanical 4 "10" at 6785.07,6095.23 h73.82; Mechanical 4 "9" at 6649.99,6160.27 h73.82; Mechanical 4 "FRONT" at 6958.14,6303.27 h73.82; Mechanical 4 "RIGHT" at 7183.92,6428.83 h73.82; Mechanical 4 "LEFT" at 6694.58,6429.24 h73.82; Mechanical 4 "2" at 6744.94,5713.9 h73.82; Mechanical 4 "4" at 6845.34,5714.27 h73.82; Mechanical 4 "6" at 6945.75,5713.16 h73.82; Mechanical 4 "8" at 7046.12,5713.59 h73.82; Mechanical 4 "7" at 6995.8,5814.27 h73.82; Mechanical 4 "5" at 6895.46,5813.85 h73.82; Mechanical 4 "3" at 6795.18,5814.4 h73.82; Mechanical 4 "1" at 6694.49,5813.94 h73.82; Mechanical 4 "12" at 7200.69,6105.08 h73.82; Mechanical 4 "11" at 7065.83,6160.29 h73.82; Mechanical 4 "10" at 6785.07,6095.23 h73.82; Mechanical 4 "9" at 6649.99,6160.27 h73.82; Mechanical 4 "FRONT" at 6958.14,6303.27 h73.82; Mechanical 4 "RIGHT" at 7183.92,6428.83 h73.82; Mechanical 4 "LEFT" at 6694.58,6429.24 h73.82; Mechanical 4 "2" at 6744.94,5713.9 h73.82; Mechanical 4 "4" at 6845.34,5714.27 h73.82; Mechanical 4 "6" at 6945.75,5713.16 h73.82; Mechanical 4 "8" at 7046.12,5713.59 h73.82; Mechanical 4 "7" at 6995.8,5814.27 h73.82; Mechanical 4 "5" at 6895.46,5813.85 h73.82; Mechanical 4 "3" at 6795.18,5814.4 h73.82; Mechanical 4 "1" at 6694.49,5813.94 h73.82
J6: Mechanical 13 "2.540" at 5416.96,4199.88 h10 r180; Mechanical 13 "5.080" at 5199.48,3984.88 h10 r180; Mechanical 13 "43.180" at 6288.96,4262.4 h10 r180; Mechanical 13 "40.640" at 6288.96,4239.88 h10 r180
J7: Top Overlay "B1" at 7101.56,3663.26 h50 r270; Top Overlay "A1" at 7196.05,3663.26 h50 r270; Mechanical 13 "B1" at 7101.56,3663.26 h50 r270; Mechanical 13 "A1" at 7196.05,3663.26 h50 r270
J8: Top Overlay "A1" at 5595.43,2497 h50 r90; Top Overlay "B1" at 5689.91,2497 h50 r90; Mechanical 13 "A1" at 5595.43,2497 h50 r90; Mechanical 13 "B1" at 5689.91,2497 h50 r90
J9: Top Overlay "A1" at 4347.31,3561.29 h50 r270; Top Overlay "B1" at 3915.46,3469.88 h50 r270; Mechanical 13 "A1" at 4345.46,3559.88 h50 r270; Mechanical 13 "B1" at 3915.46,3469.88 h50 r270
J10: Top Overlay "B1" at 6431.52,2495.37 h50 r90; Top Overlay "A1" at 6337.04,2495.37 h50 r90; Mechanical 13 "B1" at 6431.52,2495.37 h50 r90; Mechanical 13 "A1" at 6337.04,2495.37 h50 r90
J11: Top Overlay "A1" at 4856.99,2497.86 h50 r90; Top Overlay "B1" at 4951.48,2497.86 h50 r90; Mechanical 13 "A1" at 4856.99,2497.86 h50 r90; Mechanical 13 "B1" at 4951.48,2497.86 h50 r90
J14: Mechanical 13 "*" at 4409.46,5824.88 h50
S4: Top Overlay "+" at 3446.45,5085.51 h66 r180; Top Overlay "-" at 4037,5085.51 h66 r180; Mechanical 13 "+" at 3446.45,5085.51 h66 r180; Mechanical 13 "-" at 4037,5085.51 h66 r180
U11: Bottom Overlay "17" at 3854.81,5355.6 h36; Bottom Overlay "32" at 3859.81,6100.6 h36; Bottom Overlay "MB1467" at 4298,6304.6 h36; Bottom Overlay "16" at 4594.81,5355.6 h36; Bottom Overlay "1" at 4559.81,6105.6 h36